# Altium PCB PCB1.PcbDoc (part 2 of 14) (continued)
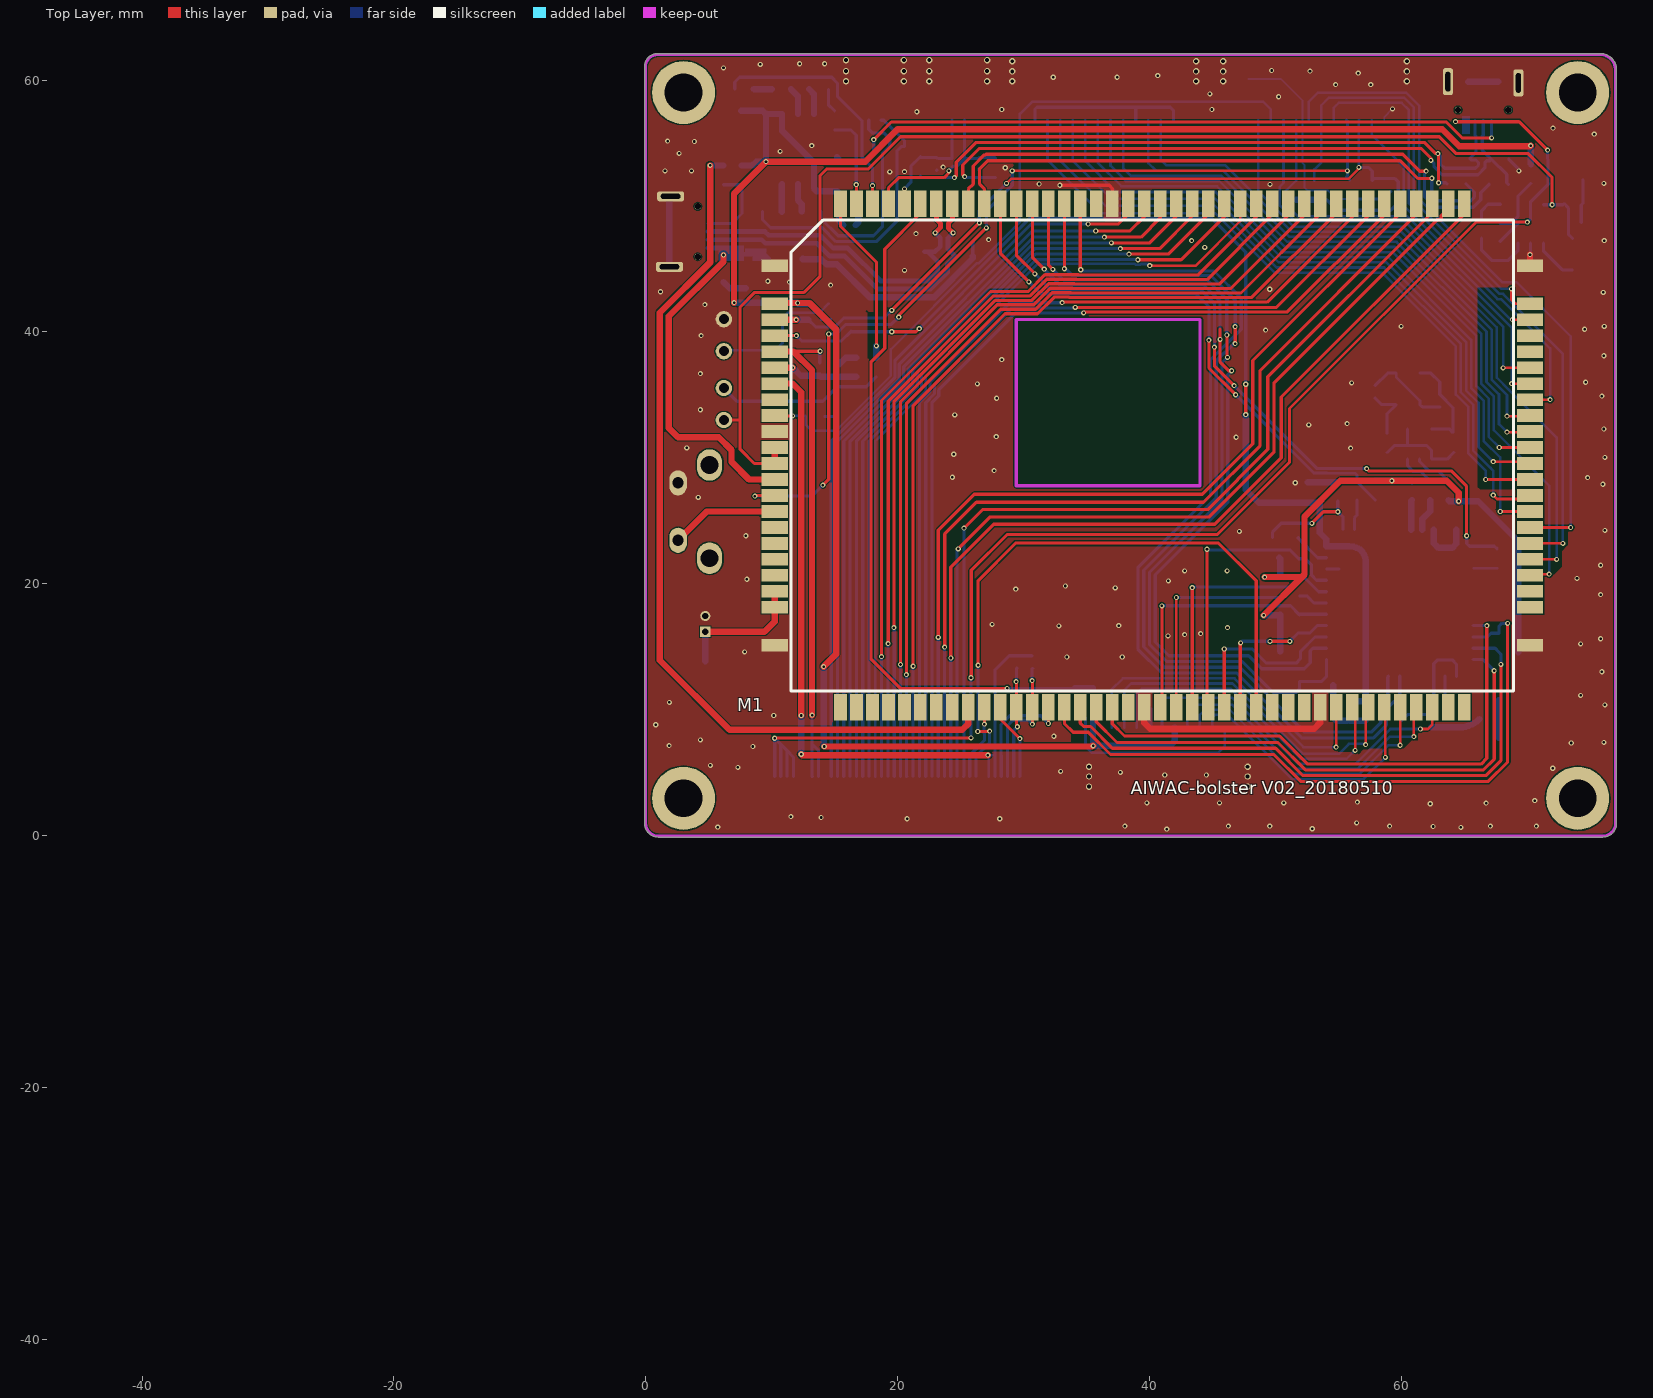
[diagram p0: Top Layer view]
## Free pads (board coordinates) (continued)
1(-45.276,-40.468) 1(-45.276,-40.468) 1(-45.276,-40.468) 1(-45.276,-40.468) 1(-45.276,-40.468) 1(-45.276,-40.468) 1(-45.276,-40.491) 1(-45.276,-40.491) 1(-45.276,-40.491) 1(-45.276,-40.487) 1(-45.276,-40.487) 1(-45.276,-40.487) 1(-45.276,-40.487) 1(-45.276,-40.487) 1(-45.276,-40.487) 1(-45.276,-40.486) 1(-45.276,-40.486) 1(-45.276,-40.486) 1(-45.276,-40.486) 1(-45.276,-40.486) 1(-45.276,-40.486) 1(-45.276,-40.485) 1(-45.276,-40.485) 1(-45.276,-40.485) 1(-45.276,-40.485) 1(-45.276,-40.485) 1(-45.276,-40.485) 1(-45.276,-40.505) 1(-45.276,-40.505) 1(-45.276,-40.505) 1(-45.276,-40.505) 1(-45.276,-40.505) 1(-45.276,-40.505) 1(-45.276,-40.504) 1(-45.276,-40.504) 1(-45.276,-40.504) 1(-45.276,-40.503) 1(-45.276,-40.503) 1(-45.276,-40.503) 1(-45.276,-40.502) 1(-45.276,-40.502) 1(-45.276,-40.502) 1(-45.276,-40.502) 1(-45.276,-40.502) 1(-45.276,-40.502) 1(-45.276,-40.502) 1(-45.276,-40.502) 1(-45.276,-40.502) 1(-45.276,-40.502) 1(-45.276,-40.502) 1(-45.276,-40.502) 1(-45.276,-40.501) 1(-45.276,-40.501) 1(-45.276,-40.501) 1(-45.276,-40.5) 1(-45.276,-40.5) 1(-45.276,-40.5) 1(-45.276,-40.499) 1(-45.276,-40.499) 1(-45.276,-40.499) 1(-45.276,-40.499) 1(-45.276,-40.499) 1(-45.276,-40.499) 1(-45.276,-40.499) 1(-45.276,-40.499) 1(-45.276,-40.499) 1(-45.276,-40.499) 1(-45.276,-40.499) 1(-45.276,-40.499) 1(-45.276,-40.498) 1(-45.276,-40.498) 1(-45.276,-40.498) 1(-45.276,-40.497) 1(-45.276,-40.497) 1(-45.276,-40.497) 1(-45.276,-40.496) 1(-45.276,-40.496) 1(-45.276,-40.496) 1(-45.276,-40.496) 1(-45.276,-40.496) 1(-45.276,-40.496) 1(-45.276,-40.496) 1(-45.276,-40.496) 1(-45.276,-40.496) 1(-45.276,-40.496) 1(-45.276,-40.496) 1(-45.276,-40.496) 1(-45.276,-40.495) 1(-45.276,-40.495) 1(-45.276,-40.495) 1(-45.276,-40.494) 1(-45.276,-40.494) 1(-45.276,-40.494) 1(-45.276,-40.493) 1(-45.276,-40.493) 1(-45.276,-40.493) 1(-45.276,-40.493) 1(-45.276,-40.493) 1(-45.276,-40.493) 1(-45.276,-40.509) 1(-45.276,-40.509) 1(-45.276,-40.509) 1(-45.276,-40.509) 1(-45.276,-40.509) 1(-45.276,-40.509) 1(-45.276,-40.508) 1(-45.276,-40.508) 1(-45.276,-40.508) 1(-45.276,-40.507) 1(-45.276,-40.507) 1(-45.276,-40.507) 1(-45.276,-40.506) 1(-45.276,-40.506) 1(-45.276,-40.506) 1(-45.276,-40.506) 1(-45.276,-40.506) 1(-45.276,-40.506) 1(-45.276,-40.505) 1(-45.276,-40.505) 1(-45.276,-40.505) 1(-45.276,-40.505) 1(-45.276,-40.505) 1(-45.276,-40.505) 1(-45.276,-40.504) 1(-45.276,-40.504) 1(-45.276,-40.504) 1(-45.276,-40.503) 1(-45.276,-40.503) 1(-45.276,-40.503) 1(-45.276,-40.502) 1(-45.276,-40.502) 1(-45.276,-40.502) 1(-45.276,-40.502) 1(-45.276,-40.502) 1(-45.276,-40.502) 1(-45.276,-40.502) 1(-45.276,-40.502) 1(-45.276,-40.502) 1(-45.276,-40.502) 1(-45.276,-40.502) 1(-45.276,-40.502) 1(-45.276,-40.501) 1(-45.276,-40.501) 1(-45.276,-40.501) 1(-45.276,-40.5) 1(-45.276,-40.5) 1(-45.276,-40.5) 1(-45.276,-40.499) 1(-45.276,-40.499) 1(-45.276,-40.499) 1(-45.276,-40.499) 1(-45.276,-40.499) 1(-45.276,-40.499) 1(-45.276,-40.499) 1(-45.276,-40.499) 1(-45.276,-40.499) 1(-45.276,-40.499) 1(-45.276,-40.499) 1(-45.276,-40.499) 1(-45.276,-40.498) 1(-45.276,-40.498) 1(-45.276,-40.498) 1(-45.276,-40.497) 1(-45.276,-40.497) 1(-45.276,-40.497) 1(-45.276,-40.496) 1(-45.276,-40.496) 1(-45.276,-40.496) 1(-45.276,-40.496) 1(-45.276,-40.496) 1(-45.276,-40.496) 1(-45.276,-40.496) 1(-45.276,-40.496) 1(-45.276,-40.496) 1(-45.276,-40.496) 1(-45.276,-40.496) 1(-45.276,-40.496) 1(-45.276,-40.495) 1(-45.276,-40.495) 1(-45.276,-40.495) 1(-45.276,-40.494) 1(-45.276,-40.494) 1(-45.276,-40.494) 1(-45.276,-40.493) 1(-45.276,-40.493) 1(-45.276,-40.493) 1(-45.276,-40.493) 1(-45.276,-40.493) 1(-45.276,-40.493) 1(-45.275,-40.509) 1(-45.275,-40.509) 1(-45.275,-40.509) 1(-45.275,-40.509) 1(-45.275,-40.509) 1(-45.275,-40.509) 1(-45.275,-40.508) 1(-45.275,-40.508) 1(-45.275,-40.508) 1(-45.275,-40.507) 1(-45.275,-40.507) 1(-45.275,-40.507) 1(-45.275,-40.506) 1(-45.275,-40.506) 1(-45.275,-40.506) 1(-45.275,-40.506) 1(-45.275,-40.506) 1(-45.275,-40.506) 1(-45.275,-40.489) 1(-45.275,-40.489) 1(-45.275,-40.489) 1(-45.275,-40.489) 1(-45.275,-40.489) 1(-45.275,-40.489) 1(-45.275,-40.471) 1(-45.275,-40.471) 1(-45.275,-40.471) 1(-45.275,-40.471) 1(-45.275,-40.471) 1(-45.275,-40.471) 1(-45.275,-40.47) 1(-45.275,-40.47) 1(-45.275,-40.47) 1(-45.275,-40.469) 1(-45.275,-40.469) 1(-45.275,-40.469) 1(-45.275,-40.468) 1(-45.275,-40.468) 1(-45.275,-40.468) 1(-45.275,-40.468) 1(-45.275,-40.468) 1(-45.275,-40.468) 1(-45.275,-40.487) 1(-45.275,-40.487) 1(-45.275,-40.487) 1(-45.275,-40.487) 1(-45.275,-40.487) 1(-45.275,-40.487) 1(-45.275,-40.486) 1(-45.275,-40.486) 1(-45.275,-40.486) 1(-45.275,-40.486) 1(-45.275,-40.486) 1(-45.275,-40.486) 1(-45.275,-40.485) 1(-45.275,-40.485) 1(-45.275,-40.485) 1(-45.275,-40.485) 1(-45.275,-40.485) 1(-45.275,-40.485) 1(-45.274,-40.505) 1(-45.274,-40.505) 1(-45.274,-40.505) 1(-45.274,-40.505) 1(-45.274,-40.505) 1(-45.274,-40.505) 1(-45.274,-40.504) 1(-45.274,-40.504) 1(-45.274,-40.504) 1(-45.274,-40.503) 1(-45.274,-40.503) 1(-45.274,-40.503) 1(-45.274,-40.502) 1(-45.274,-40.502) 1(-45.274,-40.502) 1(-45.274,-40.502) 1(-45.274,-40.502) 1(-45.274,-40.502) 1(-45.274,-40.502) 1(-45.274,-40.502) 1(-45.274,-40.502) 1(-45.274,-40.502) 1(-45.274,-40.502) 1(-45.274,-40.502) 1(-45.274,-40.501) 1(-45.274,-40.501) 1(-45.274,-40.501) 1(-45.274,-40.5) 1(-45.274,-40.5) 1(-45.274,-40.5) 1(-45.274,-40.499) 1(-45.274,-40.499) 1(-45.274,-40.499) 1(-45.274,-40.499) 1(-45.274,-40.499) 1(-45.274,-40.499) 1(-45.274,-40.499) 1(-45.274,-40.499) 1(-45.274,-40.499) 1(-45.274,-40.499) 1(-45.274,-40.499) 1(-45.274,-40.499) 1(-45.274,-40.498) 1(-45.274,-40.498) 1(-45.274,-40.498) 1(-45.274,-40.497) 1(-45.274,-40.497) 1(-45.274,-40.497) 1(-45.274,-40.496) 1(-45.274,-40.496) 1(-45.274,-40.496) 1(-45.274,-40.496) 1(-45.274,-40.496) 1(-45.274,-40.496) 1(-45.274,-40.496) 1(-45.274,-40.496) 1(-45.274,-40.496) 1(-45.274,-40.496) 1(-45.274,-40.496) 1(-45.274,-40.496) 1(-45.274,-40.495) 1(-45.274,-40.495) 1(-45.274,-40.495) 1(-45.274,-40.494) 1(-45.274,-40.494) 1(-45.274,-40.494) 1(-45.274,-40.493) 1(-45.274,-40.493) 1(-45.274,-40.493) 1(-45.274,-40.493) 1(-45.274,-40.493) 1(-45.274,-40.493) 1(-45.274,-40.505) 1(-45.274,-40.505) 1(-45.274,-40.505) 1(-45.274,-40.505) 1(-45.274,-40.505) 1(-45.274,-40.505) 1(-45.274,-40.504) 1(-45.274,-40.504) 1(-45.274,-40.504) 1(-45.274,-40.503) 1(-45.274,-40.503) 1(-45.274,-40.503) 1(-45.274,-40.502) 1(-45.274,-40.502) 1(-45.274,-40.502) 1(-45.274,-40.502) 1(-45.274,-40.502) 1(-45.274,-40.502) 1(-45.274,-40.509) 1(-45.274,-40.509) 1(-45.274,-40.509) 1(-45.274,-40.509) 1(-45.274,-40.509) 1(-45.274,-40.509) 1(-45.274,-40.508) 1(-45.274,-40.508) 1(-45.274,-40.508) 1(-45.274,-40.507) 1(-45.274,-40.507) 1(-45.274,-40.507) 1(-45.274,-40.506) 1(-45.274,-40.506) 1(-45.274,-40.506) 1(-45.274,-40.506) 1(-45.274,-40.506) 1(-45.274,-40.506) 1(-45.274,-40.491) 1(-45.274,-40.491) 1(-45.274,-40.491) 1(-45.274,-40.477) 1(-45.274,-40.477) 1(-45.274,-40.477) 1(-45.274,-40.477) 1(-45.274,-40.477) 1(-45.274,-40.477) 1(-45.274,-40.477) 1(-45.274,-40.477) 1(-45.274,-40.477) 1(-45.274,-40.477) 1(-45.274,-40.477) 1(-45.274,-40.477) 1(-45.274,-40.491) 1(-45.274,-40.491) 1(-45.274,-40.491) 1(-45.274,-40.491) 1(-45.274,-40.491) 1(-45.274,-40.491) 1(-45.274,-40.49) 1(-45.274,-40.49) 1(-45.274,-40.49) 1(-45.273,-40.477) 1(-45.273,-40.477) 1(-45.273,-40.477) 1(-45.273,-40.477) 1(-45.273,-40.477) 1(-45.273,-40.477) 1(-45.273,-40.477) 1(-45.273,-40.477) 1(-45.273,-40.477) 1(-45.273,-40.476) 1(-45.273,-40.476) 1(-45.273,-40.476) 1(-45.273,-40.476) 1(-45.273,-40.476) 1(-45.273,-40.476) 1(-45.273,-40.476) 1(-45.273,-40.476) 1(-45.273,-40.476) 1(-45.273,-40.49) 1(-45.273,-40.49) 1(-45.273,-40.49) 1(-45.273,-40.489) 1(-45.273,-40.489) 1(-45.273,-40.489) 1(-45.273,-40.489) 1(-45.273,-40.489) 1(-45.273,-40.489) 1(-45.273,-40.505) 1(-45.273,-40.505) 1(-45.273,-40.505) 1(-45.273,-40.505) 1(-45.273,-40.505) 1(-45.273,-40.505) 1(-45.273,-40.504) 1(-45.273,-40.504) 1(-45.273,-40.504) 1(-45.273,-40.503) 1(-45.273,-40.503) 1(-45.273,-40.503) 1(-45.273,-40.502) 1(-45.273,-40.502) 1(-45.273,-40.502) 1(-45.273,-40.502) 1(-45.273,-40.502) 1(-45.273,-40.502) 1(-45.273,-40.489) 1(-45.273,-40.489) 1(-45.273,-40.489) 1(-45.272,-40.471) 1(-45.272,-40.471) 1(-45.272,-40.471) 1(-45.272,-40.471) 1(-45.272,-40.471) 1(-45.272,-40.471) 1(-45.272,-40.47) 1(-45.272,-40.47) 1(-45.272,-40.47) 1(-45.272,-40.47) 1(-45.272,-40.47) 1(-45.272,-40.47) 1(-45.272,-40.469) 1(-45.272,-40.469) 1(-45.272,-40.469) 1(-45.272,-40.469) 1(-45.272,-40.469) 1(-45.272,-40.469) 1(-45.272,-40.491) 1(-45.272,-40.491) 1(-45.272,-40.491) 1(-45.272,-40.507) 1(-45.272,-40.507) 1(-45.272,-40.507) 1(-45.272,-40.507) 1(-45.272,-40.507) 1(-45.272,-40.507) 1(-45.272,-40.506) 1(-45.272,-40.506) 1(-45.272,-40.506) 1(-45.272,-40.506) 1(-45.272,-40.506) 1(-45.272,-40.506) 1(-45.272,-40.506) 1(-45.272,-40.506) 1(-45.272,-40.506) 1(-45.272,-40.506) 1(-45.272,-40.506) 1(-45.272,-40.506) 1(-45.272,-40.505) 1(-45.272,-40.505) 1(-45.272,-40.505) 1(-45.272,-40.505) 1(-45.272,-40.505) 1(-45.272,-40.505) 1(-45.272,-40.502) 1(-45.272,-40.502) 1(-45.272,-40.502) 1(-45.272,-40.502) 1(-45.272,-40.502) 1(-45.272,-40.502) 1(-45.272,-40.501) 1(-45.272,-40.501) 1(-45.272,-40.501) 1(-45.272,-40.501) 1(-45.272,-40.501) 1(-45.272,-40.501) 1(-45.272,-40.501) 1(-45.272,-40.501) 1(-45.272,-40.501) 1(-45.272,-40.501) 1(-45.272,-40.501) 1(-45.272,-40.501) 1(-45.272,-40.499) 1(-45.272,-40.499) 1(-45.272,-40.499) 1(-45.272,-40.499) 1(-45.272,-40.499) 1(-45.272,-40.499) 1(-45.272,-40.499) 1(-45.272,-40.499) 1(-45.272,-40.499) 1(-45.272,-40.499) 1(-45.272,-40.499) 1(-45.272,-40.499) 1(-45.272,-40.498) 1(-45.272,-40.498) 1(-45.272,-40.498) 1(-45.272,-40.498) 1(-45.272,-40.498) 1(-45.272,-40.498) 1(-45.272,-40.498) 1(-45.272,-40.498) 1(-45.272,-40.498) 1(-45.272,-40.498) 1(-45.272,-40.498) 1(-45.272,-40.498) 1(-45.272,-40.497) 1(-45.272,-40.497) 1(-45.272,-40.497) 1(-45.272,-40.497) 1(-45.272,-40.497) 1(-45.272,-40.497) 1(-45.272,-40.496) 1(-45.272,-40.496) 1(-45.272,-40.496) 1(-45.272,-40.496) 1(-45.272,-40.496) 1(-45.272,-40.496) 1(-45.272,-40.495) 1(-45.272,-40.495) 1(-45.272,-40.495) 1(-45.272,-40.495) 1(-45.272,-40.495) 1(-45.272,-40.495) 1(-45.272,-40.491) 1(-45.272,-40.491) 1(-45.272,-40.491) 1(-45.271,-40.471) 1(-45.271,-40.471) 1(-45.271,-40.471) 1(-45.271,-40.471) 1(-45.271,-40.471) 1(-45.271,-40.471) 1(-45.271,-40.47) 1(-45.271,-40.47) 1(-45.271,-40.47) 1(-45.271,-40.47) 1(-45.271,-40.47) 1(-45.271,-40.47) 1(-45.271,-40.469) 1(-45.271,-40.469) 1(-45.271,-40.469) 1(-45.271,-40.469) 1(-45.271,-40.469) 1(-45.271,-40.469) 1(-45.271,-40.477) 1(-45.271,-40.477) 1(-45.271,-40.477) 1(-45.271,-40.477) 1(-45.271,-40.477) 1(-45.271,-40.477) 1(-45.271,-40.476) 1(-45.271,-40.476) 1(-45.271,-40.476) 1(-45.271,-40.476) 1(-45.271,-40.476) 1(-45.271,-40.476) 1(-45.271,-40.489) 1(-45.271,-40.489) 1(-45.271,-40.489) 1(-45.271,-40.507) 1(-45.271,-40.507) 1(-45.271,-40.507) 1(-45.271,-40.506) 1(-45.271,-40.506) 1(-45.271,-40.506) 1(-45.271,-40.506) 1(-45.271,-40.506) 1(-45.271,-40.506) 1(-45.271,-40.505) 1(-45.271,-40.505) 1(-45.271,-40.505) 1(-45.271,-40.502) 1(-45.271,-40.502) 1(-45.271,-40.502) 1(-45.271,-40.501) 1(-45.271,-40.501) 1(-45.271,-40.501) 1(-45.271,-40.501) 1(-45.271,-40.501) 1(-45.271,-40.501) 1(-45.271,-40.499) 1(-45.271,-40.499) 1(-45.271,-40.499) 1(-45.271,-40.499) 1(-45.271,-40.499) 1(-45.271,-40.499) 1(-45.271,-40.498) 1(-45.271,-40.498) 1(-45.271,-40.498) 1(-45.271,-40.498) 1(-45.271,-40.498) 1(-45.271,-40.498) 1(-45.271,-40.497) 1(-45.271,-40.497) 1(-45.271,-40.497) 1(-45.271,-40.496) 1(-45.271,-40.496) 1(-45.271,-40.496) 1(-45.271,-40.495) 1(-45.271,-40.495) 1(-45.271,-40.495) 1(-45.27,-40.49) 1(-45.27,-40.49) 1(-45.27,-40.49) 1(-45.27,-40.489) 1(-45.27,-40.489) 1(-45.27,-40.489) 1(-45.27,-40.489) 1(-45.27,-40.489) 1(-45.27,-40.489) 1(-45.27,-40.49) 1(-45.27,-40.49) 1(-45.27,-40.49) 1(-45.27,-40.489) 1(-45.27,-40.489) 1(-45.27,-40.489) 1(-45.27,-40.489) 1(-45.27,-40.489) 1(-45.27,-40.489) 1(-45.27,-40.507) 1(-45.27,-40.507) 1(-45.27,-40.507) 1(-45.27,-40.506) 1(-45.27,-40.506) 1(-45.27,-40.506) 1(-45.27,-40.506) 1(-45.27,-40.506) 1(-45.27,-40.506) 1(-45.27,-40.505) 1(-45.27,-40.505) 1(-45.27,-40.505) 1(-45.27,-40.502) 1(-45.27,-40.502) 1(-45.27,-40.502) 1(-45.27,-40.501) 1(-45.27,-40.501) 1(-45.27,-40.501) 1(-45.27,-40.501) 1(-45.27,-40.501) 1(-45.27,-40.501) 1(-45.27,-40.499) 1(-45.27,-40.499) 1(-45.27,-40.499) 1(-45.27,-40.499) 1(-45.27,-40.499) 1(-45.27,-40.499) 1(-45.27,-40.498) 1(-45.27,-40.498) 1(-45.27,-40.498) 1(-45.27,-40.498) 1(-45.27,-40.498) 1(-45.27,-40.498) 1(-45.27,-40.497) 1(-45.27,-40.497) 1(-45.27,-40.497) 1(-45.27,-40.496) 1(-45.27,-40.496) 1(-45.27,-40.496) 1(-45.27,-40.495) 1(-45.27,-40.495) 1(-45.27,-40.495) 1(-45.27,-40.478) 1(-45.27,-40.478) 1(-45.27,-40.478) 1(-45.27,-40.478) 1(-45.27,-40.478) 1(-45.27,-40.478) 1(-45.27,-40.477) 1(-45.27,-40.477) 1(-45.27,-40.477) 1(-45.27,-40.477) 1(-45.27,-40.477) 1(-45.27,-40.477) 1(-45.27,-40.489) 1(-45.27,-40.489) 1(-45.27,-40.489) 1(-45.269,-40.507) 1(-45.269,-40.507) 1(-45.269,-40.507) 1(-45.269,-40.507) 1(-45.269,-40.507) 1(-45.269,-40.507) 1(-45.269,-40.506) 1(-45.269,-40.506) 1(-45.269,-40.506) 1(-45.269,-40.506) 1(-45.269,-40.506) 1(-45.269,-40.506) 1(-45.269,-40.506) 1(-45.269,-40.506) 1(-45.269,-40.506) 1(-45.269,-40.506) 1(-45.269,-40.506) 1(-45.269,-40.506) 1(-45.269,-40.505) 1(-45.269,-40.505) 1(-45.269,-40.505) 1(-45.269,-40.505) 1(-45.269,-40.505) 1(-45.269,-40.505) 1(-45.269,-40.502) 1(-45.269,-40.502) 1(-45.269,-40.502) 1(-45.269,-40.502) 1(-45.269,-40.502) 1(-45.269,-40.502) 1(-45.269,-40.501) 1(-45.269,-40.501) 1(-45.269,-40.501) 1(-45.269,-40.501) 1(-45.269,-40.501) 1(-45.269,-40.501) 1(-45.269,-40.501) 1(-45.269,-40.501) 1(-45.269,-40.501) 1(-45.269,-40.501) 1(-45.269,-40.501) 1(-45.269,-40.501) 1(-45.269,-40.499) 1(-45.269,-40.499) 1(-45.269,-40.499) 1(-45.269,-40.499) 1(-45.269,-40.499) 1(-45.269,-40.499) 1(-45.269,-40.499) 1(-45.269,-40.499) 1(-45.269,-40.499) 1(-45.269,-40.499) 1(-45.269,-40.499) 1(-45.269,-40.499) 1(-45.269,-40.498) 1(-45.269,-40.498) 1(-45.269,-40.498) 1(-45.269,-40.498) 1(-45.269,-40.498) 1(-45.269,-40.498) 1(-45.269,-40.498) 1(-45.269,-40.498) 1(-45.269,-40.498) 1(-45.269,-40.498) 1(-45.269,-40.498) 1(-45.269,-40.498) 1(-45.269,-40.497) 1(-45.269,-40.497) 1(-45.269,-40.497) 1(-45.269,-40.497) 1(-45.269,-40.497) 1(-45.269,-40.497) 1(-45.269,-40.496) 1(-45.269,-40.496) 1(-45.269,-40.496) 1(-45.269,-40.496) 1(-45.269,-40.496) 1(-45.269,-40.496) 1(-45.269,-40.495) 1(-45.269,-40.495) 1(-45.269,-40.495) 1(-45.269,-40.495) 1(-45.269,-40.495) 1(-45.269,-40.495) 1(-45.269,-40.51) 1(-45.269,-40.51) 1(-45.269,-40.51) 1(-45.269,-40.51) 1(-45.269,-40.51) 1(-45.269,-40.51) 1(-45.269,-40.509) 1(-45.269,-40.509) 1(-45.269,-40.509) 1(-45.269,-40.509) 1(-45.269,-40.509) 1(-45.269,-40.509) 1(-45.269,-40.491) 1(-45.269,-40.491) 1(-45.269,-40.491) 1(-45.268,-40.491) 1(-45.268,-40.491) 1(-45.268,-40.491) 1(-45.268,-40.503) 1(-45.268,-40.503) 1(-45.268,-40.503) 1(-45.268,-40.503) 1(-45.268,-40.503) 1(-45.268,-40.503) 1(-45.268,-40.501) 1(-45.268,-40.501) 1(-45.268,-40.501) 1(-45.268,-40.501) 1(-45.268,-40.501) 1(-45.268,-40.501) 1(-45.268,-40.501) 1(-45.268,-40.501) 1(-45.268,-40.501) 1(-45.268,-40.501) 1(-45.268,-40.501) 1(-45.268,-40.501) 1(-45.268,-40.5) 1(-45.268,-40.5) 1(-45.268,-40.5) 1(-45.268,-40.5) 1(-45.268,-40.5) 1(-45.268,-40.5) 1(-45.268,-40.5) 1(-45.268,-40.5) 1(-45.268,-40.5) 1(-45.268,-40.5) 1(-45.268,-40.5) 1(-45.268,-40.5) 1(-45.268,-40.498) 1(-45.268,-40.498) 1(-45.268,-40.498) 1(-45.268,-40.498) 1(-45.268,-40.498) 1(-45.268,-40.498) 1(-45.268,-40.498) 1(-45.268,-40.498) 1(-45.268,-40.498) 1(-45.268,-40.498) 1(-45.268,-40.498) 1(-45.268,-40.498) 1(-45.268,-40.497) 1(-45.268,-40.497) 1(-45.268,-40.497) 1(-45.268,-40.497) 1(-45.268,-40.497) 1(-45.268,-40.497) 1(-45.268,-40.51) 1(-45.268,-40.51) 1(-45.268,-40.51) 1(-45.268,-40.509) 1(-45.268,-40.509) 1(-45.268,-40.509) 1(-45.268,-40.489) 1(-45.268,-40.489) 1(-45.268,-40.489) 1(-45.267,-40.503) 1(-45.267,-40.503) 1(-45.267,-40.503) 1(-45.267,-40.501) 1(-45.267,-40.501) 1(-45.267,-40.501) 1(-45.267,-40.501) 1(-45.267,-40.501) 1(-45.267,-40.501) 1(-45.267,-40.5) 1(-45.267,-40.5) 1(-45.267,-40.5) 1(-45.267,-40.5) 1(-45.267,-40.5) 1(-45.267,-40.5) 1(-45.267,-40.498) 1(-45.267,-40.498) 1(-45.267,-40.498) 1(-45.267,-40.498) 1(-45.267,-40.498) 1(-45.267,-40.498) 1(-45.267,-40.497) 1(-45.267,-40.497) 1(-45.267,-40.497) 1(-45.267,-40.478) 1(-45.267,-40.478) 1(-45.267,-40.478) 1(-45.267,-40.478) 1(-45.267,-40.478) 1(-45.267,-40.478) 1(-45.267,-40.478) 1(-45.267,-40.478) 1(-45.267,-40.478) 1(-45.267,-40.477) 1(-45.267,-40.477) 1(-45.267,-40.477) 1(-45.267,-40.477) 1(-45.267,-40.477) 1(-45.267,-40.477) 1(-45.267,-40.477) 1(-45.267,-40.477) 1(-45.267,-40.477) 1(-45.267,-40.49) 1(-45.267,-40.49) 1(-45.267,-40.49) 1(-45.267,-40.489) 1(-45.267,-40.489) 1(-45.267,-40.489) 1(-45.267,-40.489) 1(-45.267,-40.489) 1(-45.267,-40.489) 1(-45.267,-40.51) 1(-45.267,-40.51) 1(-45.267,-40.51) 1(-45.267,-40.509) 1(-45.267,-40.509) 1(-45.267,-40.509) 1(-45.267,-40.478) 1(-45.267,-40.478) 1(-45.267,-40.478) 1(-45.267,-40.478) 1(-45.267,-40.478) 1(-45.267,-40.478) 1(-45.267,-40.477) 1(-45.267,-40.477) 1(-45.267,-40.477) 1(-45.267,-40.477) 1(-45.267,-40.477) 1(-45.267,-40.477) 1(-45.267,-40.472) 1(-45.267,-40.472) 1(-45.267,-40.472) 1(-45.267,-40.472) 1(-45.267,-40.472) 1(-45.267,-40.472) 1(-45.267,-40.471) 1(-45.267,-40.471) 1(-45.267,-40.471) 1(-45.267,-40.47) 1(-45.267,-40.47) 1(-45.267,-40.47) 1(-45.267,-40.469) 1(-45.267,-40.469) 1(-45.267,-40.469) 1(-45.267,-40.469) 1(-45.267,-40.469) 1(-45.267,-40.469) 1(-45.266,-40.503) 1(-45.266,-40.503) 1(-45.266,-40.503) 1(-45.266,-40.501) 1(-45.266,-40.501) 1(-45.266,-40.501) 1(-45.266,-40.501) 1(-45.266,-40.501) 1(-45.266,-40.501) 1(-45.266,-40.5) 1(-45.266,-40.5) 1(-45.266,-40.5) 1(-45.266,-40.5) 1(-45.266,-40.5) 1(-45.266,-40.5) 1(-45.266,-40.498) 1(-45.266,-40.498) 1(-45.266,-40.498) 1(-45.266,-40.498) 1(-45.266,-40.498) 1(-45.266,-40.498) 1(-45.266,-40.497) 1(-45.266,-40.497) 1(-45.266,-40.497) 1(-45.266,-40.51) 1(-45.266,-40.51) 1(-45.266,-40.51) 1(-45.266,-40.51) 1(-45.266,-40.51) 1(-45.266,-40.51) 1(-45.266,-40.509) 1(-45.266,-40.509) 1(-45.266,-40.509) 1(-45.266,-40.509) 1(-45.266,-40.509) 1(-45.266,-40.509) 1(-45.265,-40.503) 1(-45.265,-40.503) 1(-45.265,-40.503) 1(-45.265,-40.503) 1(-45.265,-40.503) 1(-45.265,-40.503) 1(-45.265,-40.501) 1(-45.265,-40.501) 1(-45.265,-40.501) 1(-45.265,-40.501) 1(-45.265,-40.501) 1(-45.265,-40.501) 1(-45.265,-40.501) 1(-45.265,-40.501) 1(-45.265,-40.501) 1(-45.265,-40.501) 1(-45.265,-40.501) 1(-45.265,-40.501) 1(-45.265,-40.5) 1(-45.265,-40.5) 1(-45.265,-40.5) 1(-45.265,-40.5) 1(-45.265,-40.5) 1(-45.265,-40.5) 1(-45.265,-40.5) 1(-45.265,-40.5) 1(-45.265,-40.5) 1(-45.265,-40.5) 1(-45.265,-40.5) 1(-45.265,-40.5) 1(-45.265,-40.498) 1(-45.265,-40.498) 1(-45.265,-40.498) 1(-45.265,-40.498) 1(-45.265,-40.498) 1(-45.265,-40.498) 1(-45.265,-40.498) 1(-45.265,-40.498) 1(-45.265,-40.498) 1(-45.265,-40.498) 1(-45.265,-40.498) 1(-45.265,-40.498) 1(-45.265,-40.497) 1(-45.265,-40.497) 1(-45.265,-40.497) 1(-45.265,-40.497) 1(-45.265,-40.497) 1(-45.265,-40.497) 1(-45.265,-40.472) 1(-45.265,-40.472) 1(-45.265,-40.472) 1(-45.265,-40.472) 1(-45.265,-40.472) 1(-45.265,-40.472) 1(-45.265,-40.471) 1(-45.265,-40.471) 1(-45.265,-40.471) 1(-45.265,-40.47) 1(-45.265,-40.47) 1(-45.265,-40.47) 1(-45.265,-40.469) 1(-45.265,-40.469) 1(-45.265,-40.469) 1(-45.265,-40.469) 1(-45.265,-40.469) 1(-45.265,-40.469) 1(-45.265,-40.51) 1(-45.265,-40.51) 1(-45.265,-40.51) 1(-45.265,-40.51) 1(-45.265,-40.51) 1(-45.265,-40.51) 1(-45.265,-40.509) 1(-45.265,-40.509) 1(-45.265,-40.509) 1(-45.265,-40.509) 1(-45.265,-40.509) 1(-45.265,-40.509) 1(-45.265,-40.503) 1(-45.265,-40.503) 1(-45.265,-40.503) 1(-45.265,-40.503) 1(-45.265,-40.503) 1(-45.265,-40.503) 1(-45.265,-40.501) 1(-45.265,-40.501) 1(-45.265,-40.501) 1(-45.265,-40.501) 1(-45.265,-40.501) 1(-45.265,-40.501) 1(-45.265,-40.501) 1(-45.265,-40.501) 1(-45.265,-40.501) 1(-45.265,-40.501) 1(-45.265,-40.501) 1(-45.265,-40.501) 1(-45.265,-40.5) 1(-45.265,-40.5) 1(-45.265,-40.5) 1(-45.265,-40.5) 1(-45.265,-40.5) 1(-45.265,-40.5) 1(-45.265,-40.5) 1(-45.265,-40.5) 1(-45.265,-40.5) 1(-45.265,-40.5) 1(-45.265,-40.5) 1(-45.265,-40.5) 1(-45.265,-40.498) 1(-45.265,-40.498) 1(-45.265,-40.498) 1(-45.265,-40.498) 1(-45.265,-40.498) 1(-45.265,-40.498) 1(-45.265,-40.498) 1(-45.265,-40.498) 1(-45.265,-40.498) 1(-45.265,-40.498) 1(-45.265,-40.498) 1(-45.265,-40.498) 1(-45.265,-40.497) 1(-45.265,-40.497) 1(-45.265,-40.497) 1(-45.265,-40.497) 1(-45.265,-40.497) 1(-45.265,-40.497) 1(-45.264,-40.51) 1(-45.264,-40.51) 1(-45.264,-40.51) 1(-45.264,-40.509) 1(-45.264,-40.509) 1(-45.264,-40.509) 1(-45.264,-40.503) 1(-45.264,-40.503) 1(-45.264,-40.503) 1(-45.264,-40.501) 1(-45.264,-40.501) 1(-45.264,-40.501) 1(-45.264,-40.501) 1(-45.264,-40.501) 1(-45.264,-40.501) 1(-45.264,-40.5) 1(-45.264,-40.5) 1(-45.264,-40.5) 1(-45.264,-40.5) 1(-45.264,-40.5) 1(-45.264,-40.5) 1(-45.264,-40.498) 1(-45.264,-40.498) 1(-45.264,-40.498) 1(-45.264,-40.498) 1(-45.264,-40.498) 1(-45.264,-40.498) 1(-45.264,-40.497) 1(-45.264,-40.497) 1(-45.264,-40.497) 1(-45.263,-40.51) 1(-45.263,-40.51) 1(-45.263,-40.51) 1(-45.263,-40.509) 1(-45.263,-40.509) 1(-45.263,-40.509) 1(-45.263,-40.503) 1(-45.263,-40.503) 1(-45.263,-40.503) 1(-45.263,-40.501) 1(-45.263,-40.501) 1(-45.263,-40.501) 1(-45.263,-40.501) 1(-45.263,-40.501) 1(-45.263,-40.501) 1(-45.263,-40.5) 1(-45.263,-40.5) 1(-45.263,-40.5) 1(-45.263,-40.5) 1(-45.263,-40.5) 1(-45.263,-40.5) 1(-45.263,-40.498) 1(-45.263,-40.498) 1(-45.263,-40.498) 1(-45.263,-40.498) 1(-45.263,-40.498) 1(-45.263,-40.498) 1(-45.263,-40.497) 1(-45.263,-40.497) 1(-45.263,-40.497) 1(-45.262,-40.51) 1(-45.262,-40.51) 1(-45.262,-40.51) 1(-45.262,-40.51) 1(-45.262,-40.51) 1(-45.262,-40.51) 1(-45.262,-40.509) 1(-45.262,-40.509) 1(-45.262,-40.509) 1(-45.262,-40.509) 1(-45.262,-40.509) 1(-45.262,-40.509) 1(-45.262,-40.503) 1(-45.262,-40.503) 1(-45.262,-40.503) 1(-45.262,-40.503) 1(-45.262,-40.503) 1(-45.262,-40.503) 1(-45.262,-40.501) 1(-45.262,-40.501) 1(-45.262,-40.501) 1(-45.262,-40.501) 1(-45.262,-40.501) 1(-45.262,-40.501) 1(-45.262,-40.501) 1(-45.262,-40.501) 1(-45.262,-40.501) 1(-45.262,-40.501) 1(-45.262,-40.501) 1(-45.262,-40.501) 1(-45.262,-40.5) 1(-45.262,-40.5) 1(-45.262,-40.5) 1(-45.262,-40.5) 1(-45.262,-40.5) 1(-45.262,-40.5) 1(-45.262,-40.5) 1(-45.262,-40.5) 1(-45.262,-40.5) 1(-45.262,-40.5) 1(-45.262,-40.5) 1(-45.262,-40.5) 1(-45.262,-40.498) 1(-45.262,-40.498) 1(-45.262,-40.498) 1(-45.262,-40.498) 1(-45.262,-40.498) 1(-45.262,-40.498) 1(-45.262,-40.498) 1(-45.262,-40.498) 1(-45.262,-40.498) 1(-45.262,-40.498) 1(-45.262,-40.498) 1(-45.262,-40.498) 1(-45.262,-40.497) 1(-45.262,-40.497) 1(-45.262,-40.497) 1(-45.262,-40.497) 1(-45.262,-40.497) 1(-45.262,-40.497) 1(-45.262,-40.51) 1(-45.262,-40.51) 1(-45.262,-40.51) 1(-45.262,-40.51) 1(-45.262,-40.51) 1(-45.262,-40.51) 1(-45.262,-40.509) 1(-45.262,-40.509) 1(-45.262,-40.509) 1(-45.262,-40.509) 1(-45.262,-40.509) 1(-45.262,-40.509) 1(-45.261,-40.503) 1(-45.261,-40.503) 1(-45.261,-40.503) 1(-45.261,-40.503) 1(-45.261,-40.503) 1(-45.261,-40.503) 1(-45.261,-40.501) 1(-45.261,-40.501) 1(-45.261,-40.501) 1(-45.261,-40.501) 1(-45.261,-40.501) 1(-45.261,-40.501) 1(-45.261,-40.501) 1(-45.261,-40.501) 1(-45.261,-40.501) 1(-45.261,-40.501) 1(-45.261,-40.501) 1(-45.261,-40.501) 1(-45.261,-40.5) 1(-45.261,-40.5) 1(-45.261,-40.5) 1(-45.261,-40.5) 1(-45.261,-40.5) 1(-45.261,-40.5) 1(-45.261,-40.51) 1(-45.261,-40.51) 1(-45.261,-40.51) 1(-45.261,-40.509) 1(-45.261,-40.509) 1(-45.261,-40.509) 1(-45.26,-40.503) 1(-45.26,-40.503) 1(-45.26,-40.503) 1(-45.26,-40.501) 1(-45.26,-40.501) 1(-45.26,-40.501) 1(-45.26,-40.501) 1(-45.26,-40.501) 1(-45.26,-40.501) 1(-45.26,-40.5) 1(-45.26,-40.5) 1(-45.26,-40.5) 1(-45.26,-40.514) 1(-45.26,-40.514) 1(-45.26,-40.514) 1(-45.26,-40.514) 1(-45.26,-40.514) 1(-45.26,-40.514) 1(-45.26,-40.513) 1(-45.26,-40.513) 1(-45.26,-40.513) 1(-45.26,-40.512) 1(-45.26,-40.512) 1(-45.26,-40.512) 1(-45.26,-40.511) 1(-45.26,-40.511) 1(-45.26,-40.511) 1(-45.26,-40.511) 1(-45.26,-40.511) 1(-45.26,-40.511) 1(-45.26,-40.51) 1(-45.26,-40.51) 1(-45.26,-40.51) 1(-45.26,-40.509) 1(-45.26,-40.509) 1(-45.26,-40.509) 1(-45.26,-40.503) 1(-45.26,-40.503) 1(-45.26,-40.503) 1(-45.26,-40.501) 1(-45.26,-40.501) 1(-45.26,-40.501) 1(-45.26,-40.501) 1(-45.26,-40.501) 1(-45.26,-40.501) 1(-45.26,-40.5) 1(-45.26,-40.5) 1(-45.26,-40.5) 1(-45.259,-40.51) 1(-45.259,-40.51) 1(-45.259,-40.51) 1(-45.259,-40.51) 1(-45.259,-40.51) 1(-45.259,-40.51) 1(-45.259,-40.509) 1(-45.259,-40.509) 1(-45.259,-40.509) 1(-45.259,-40.509) 1(-45.259,-40.509) 1(-45.259,-40.509) 1(-45.259,-40.514) 1(-45.259,-40.514) 1(-45.259,-40.514) 1(-45.259,-40.514) 1(-45.259,-40.514) 1(-45.259,-40.514) 1(-45.259,-40.513) 1(-45.259,-40.513) 1(-45.259,-40.513) 1(-45.259,-40.512) 1(-45.259,-40.512) 1(-45.259,-40.512) 1(-45.259,-40.511) 1(-45.259,-40.511) 1(-45.259,-40.511) 1(-45.259,-40.511) 1(-45.259,-40.511) 1(-45.259,-40.511) 1(-45.259,-40.479) 1(-45.259,-40.479) 1(-45.259,-40.479) 1(-45.259,-40.479) 1(-45.259,-40.479) 1(-45.259,-40.479) 1(-45.259,-40.506) 1(-45.259,-40.506) 1(-45.259,-40.506) 1(-45.259,-40.506) 1(-45.259,-40.506) 1(-45.259,-40.506) 1(-45.259,-40.505) 1(-45.259,-40.505) 1(-45.259,-40.505) 1(-45.259,-40.505) 1(-45.259,-40.505) 1(-45.259,-40.505) 1(-45.259,-40.514) 1(-45.259,-40.514) 1(-45.259,-40.514) 1(-45.259,-40.514) 1(-45.259,-40.514) 1(-45.259,-40.514) 1(-45.259,-40.513) 1(-45.259,-40.513) 1(-45.259,-40.513) 1(-45.259,-40.512) 1(-45.259,-40.512) 1(-45.259,-40.512) 1(-45.259,-40.511) 1(-45.259,-40.511) 1(-45.259,-40.511) 1(-45.259,-40.511) 1(-45.259,-40.511) 1(-45.259,-40.511) 1(-45.259,-40.51) 1(-45.259,-40.51) 1(-45.259,-40.51) 1(-45.259,-40.51) 1(-45.259,-40.51) 1(-45.259,-40.51) 1(-45.259,-40.509) 1(-45.259,-40.509) 1(-45.259,-40.509) 1(-45.259,-40.509) 1(-45.259,-40.509) 1(-45.259,-40.509) 1(-45.259,-40.503) 1(-45.259,-40.503) 1(-45.259,-40.503) 1(-45.259,-40.503) 1(-45.259,-40.503) 1(-45.259,-40.503) 1(-45.259,-40.501) 1(-45.259,-40.501) 1(-45.259,-40.501) 1(-45.259,-40.501) 1(-45.259,-40.501) 1(-45.259,-40.501) 1(-45.259,-40.501) 1(-45.259,-40.501) 1(-45.259,-40.501) 1(-45.259,-40.501) 1(-45.259,-40.501) 1(-45.259,-40.501) 1(-45.259,-40.5) 1(-45.259,-40.5) 1(-45.259,-40.5) 1(-45.259,-40.5) 1(-45.259,-40.5) 1(-45.259,-40.5) 1(-45.258,-40.503) 1(-45.258,-40.503) 1(-45.258,-40.503) 1(-45.258,-40.503) 1(-45.258,-40.503) 1(-45.258,-40.503) 1(-45.258,-40.501) 1(-45.258,-40.501) 1(-45.258,-40.501) 1(-45.258,-40.501) 1(-45.258,-40.501) 1(-45.258,-40.501) 1(-45.258,-40.501) 1(-45.258,-40.501) 1(-45.258,-40.501) 1(-45.258,-40.501) 1(-45.258,-40.501) 1(-45.258,-40.501) 1(-45.258,-40.5) 1(-45.258,-40.5) 1(-45.258,-40.5) 1(-45.258,-40.5) 1(-45.258,-40.5) 1(-45.258,-40.5) 1(-45.258,-40.506) 1(-45.258,-40.506) 1(-45.258,-40.506) 1(-45.258,-40.505) 1(-45.258,-40.505) 1(-45.258,-40.505) 1(-45.258,-40.48) 1(-45.258,-40.48) 1(-45.258,-40.48) 1(-45.258,-40.477) 1(-45.258,-40.477) 1(-45.258,-40.477) 1(-45.258,-40.51) 1(-45.258,-40.51) 1(-45.258,-40.51) 1(-45.258,-40.509) 1(-45.258,-40.509) 1(-45.258,-40.509) 1(-45.258,-40.514) 1(-45.258,-40.514) 1(-45.258,-40.514) 1(-45.258,-40.514) 1(-45.258,-40.514) 1(-45.258,-40.514) 1(-45.258,-40.513) 1(-45.258,-40.513) 1(-45.258,-40.513) 1(-45.258,-40.512) 1(-45.258,-40.512) 1(-45.258,-40.512) 1(-45.258,-40.511) 1(-45.258,-40.511) 1(-45.258,-40.511) 1(-45.258,-40.511) 1(-45.258,-40.511) 1(-45.258,-40.511) 1(-45.257,-40.503) 1(-45.257,-40.503) 1(-45.257,-40.503) 1(-45.257,-40.501) 1(-45.257,-40.501) 1(-45.257,-40.501) 1(-45.257,-40.501) 1(-45.257,-40.501) 1(-45.257,-40.501) 1(-45.257,-40.5) 1(-45.257,-40.5) 1(-45.257,-40.5) 1(-45.257,-40.506) 1(-45.257,-40.506) 1(-45.257,-40.506) 1(-45.257,-40.505) 1(-45.257,-40.505) 1(-45.257,-40.505) 1(-45.257,-40.51) 1(-45.257,-40.51) 1(-45.257,-40.51) 1(-45.257,-40.509) 1(-45.257,-40.509) 1(-45.257,-40.509) 1(-45.257,-40.503) 1(-45.257,-40.503) 1(-45.257,-40.503) 1(-45.257,-40.501) 1(-45.257,-40.501)